# KiCad board poly_kb_wave_right2.kicad_pcb (continued)
## Routing (per net, layer and track width the routed paths; a pad name or vN(x,y) marks a point on that pad's centre or on a via; arc(x,y) is an arc through that point) (continued)
Net-(D1_35-A): length 2.8
  Bottom w0.3: 131.55,36.34 131.54,36.34 SW_K_35.2
Net-(D1_36-A): length 2.8
  Bottom w0.3: SW_K_36.2 150.59,36.34 150.6,36.34
Net-(D5-A): length 14.2
  Top w0.5: v1(5.25,93.76) 5.25,93.77 U3.1
  Bottom w0.5: D5.2 3.35,86.82 JP1.1 6.77,90.24 C14.1 6.71,93.76 v1(5.25,93.76)
Net-(D5-K): length 1.8
  Bottom w0.5: 5.1,81.73 5.09,81.72 D5.1
Net-(D6-K): length 13.3
  Top w0.5: v1(5.3,97.04) 5.3,97.05 5.3,101.01 R6.2
  Bottom w0.5: D6.1 4.6,90.86 4.6,93.14 4.34,93.39 4.34,94.14 5.3,95.09 v1(5.3,97.04)
Net-(D12-A): length 26.2
  Top w0.3: SW1.S2 11.58,54.19 14.17,51.6 16.49,51.6 17.76,52.88 17.76,54.52 18.2,54.95 25.33,58.04 SW1.S2
  Bottom w0.3: SW1.S2 27.76,58.05 D12.2
Net-(J39-Pin_2): length 3.2
  Top w0.229: v2(7.68,86.78) 8.61,86.78 9.05,87.22 J39.2
  Bottom w0.229: 7.69,85.89 7.68,85.89 v2(7.68,86.78)
Net-(J39-Pin_3): length 2.4
  Top w0.229: v2(9.44,86.7) 9.55,86.81 J39.3
  Bottom w0.229: C30.2 8.65,85.91 v2(9.44,86.7)
Net-(J39-Pin_4): length 3.6
  Top w0.229: J39.4 10.05,85.52 v2(9.73,85.19)
  Bottom w0.229: C31.1 9.73,85.87 v2(9.73,85.19)
Net-(J39-Pin_5): length 3.6
  Top w0.229: J39.5 10.55,85.52 v2(10.84,85.23)
  Bottom w0.229: v2(10.84,85.23) 10.66,85.41 10.66,85.87 C31.2
Net-(J39-Pin_26): length 10.3
  Top w0.3: v2(25.58,88.19) 25.58,88.28 24.67,89.19 21.35,89.19 21.05,88.89 J39.26
  Bottom w0.3: v2(25.58,88.19) 25.58,85.08 R30.2
Net-(J39-Pin_27): length 2.6
  Top w0.3: J39.27 21.55,87.16 v2(21.22,86.83)
  Bottom w0.3: C33.1 21.78,86.27 v2(21.22,86.83)
Net-(J39-Pin_28): length 6.2
  Top w0.3: v2(23.72,87) 23.51,87 23.51,86.98 22.1,86.98 22.1,87 22.08,87 22.05,87.03 J39.28
  Bottom w0.3: v2(23.72,87) 23.72,85.36 C34.1
Net-(R10-Pad1): length 2.5
  Top w0.6: R11.2 10.77,100.43 10.07,99.73 R10.1
Net-(R13-Pad2): length 1.8
  Bottom w0.3: R13.2 10.12,95.04 R25.2
Net-(R18-Pad2): length 1.9
  Bottom w0.5: R24.1 4.55,112.86 R18.2
Net-(U1A-FB): length 12.9
  Top w0.3: R14.1 9.63,111.55 v2(7.25,111.55) 7.25,113.16 8.25,114.16 U1.5
  Top w0.6: R14.1 10.3,112.13 C5.2 11.75,112.03 R17.2
  Bottom w0.3: v2(7.25,111.55) 6.24,112.56 R18.1
Net-(U1A-SW): length 4.5
  Top w0.6: v1(13.05,116.41) 12.7,116.06 U1.3
  Bottom w0.6: v1(13.05,116.41) 11.52,116.41 L2.1
Net-(U2A-FB): length 9
  Top w0.5: U2.5 9.44,101.38
  Top w0.6: R11.1 11.49,102.18 9.53,102.18 9.44,102.27 ; R12.2 7.78,103.23 U2.5 9.44,101.38 C11.2
Net-(U2A-SW): length 3.9
  Top w0.5: v1(12.85,106) 11.98,105.13 U2.3
  Bottom w0.5: v1(12.85,106) 12.66,105.81 L1.1
Net-(U3-SET): length 2.5
  Top w0.3: U3.3 9.18,93.77
  Top w0.5: 9.18,93.77 v2(9.18,93.76)
  Bottom w0.3: 8.49,95.03 9.18,94.33 v2(9.18,93.76)
Net-(U10-USB_DM): length 2.7
  Bottom w0.229: U10.46 20.35,109.56 R23.2
Net-(U10-USB_DP): length 2.6
  Bottom w0.229: R22.2 21.25,110.05 20.75,109.55 U10.47
Net-(USB1-CC1): length 2.6
  Top w0.3: v2(19.75,120.94) 19.75,121.52 R7.2
  Bottom w0.3: USB1.4 19.75,120.94 v2(19.75,120.94)
Net-(USB1-CC2): length 2.6
  Top w0.3: R9.2 22.75,121.51 v2(22.75,120.94)
  Bottom w0.3: USB1.10 22.75,120.93 v2(22.75,120.94)
Net-(USB1-SHIELD): length 19.3
  Top w0.6: USB1.13 16.91,120.13 25.1,120.13 USB1.13
  Bottom w0.6: USB1.13 USB1.13 25.88,119.8 FB1.1 ; USB1.13 USB1.13
Net-(USB2-SHIELD): length 21.1
  Top w0.6: USB2.13 USB2.13
  Bottom w0.6: FB2.1 5.83,63.71 USB2.13 USB2.13 USB2.13

## Copper pours and planes (outline as drawn; the poured copper is in the pictures)
GND on Top, Bottom, In1.Cu, In2.Cu: 11.6,91 14.8,91 14.8,109.31 14.77,113.31 14.8,131.81 194.1,131.75 194.1,3.56 31.15,-7.3 -0.98,-6.95 -1.2,88.91 11.6,88.91 ; 1 cut-out
GND on Top, Bottom, In1.Cu, In2.Cu: 14.6,108.35 -1,108.35 -1,131.81 14.5,131.81
GND on Top, Bottom, In1.Cu, In2.Cu: 14.6,99.2 -1,99.2 -1,107.91 14.6,107.95
GND on Top, Bottom, In1.Cu, In2.Cu: 11.25,89.3 -1,89.3 -1,98.81 11.25,98.81
GND on Top, Bottom, In1.Cu, In2.Cu: 22.95,100.35 23.21,98.31 25.25,98.31 26.85,96.81 26.85,92.1 25.25,90.7 21.7,90.7 20.05,92.35 20.05,96.45 21.1,97.5 21.1,99.45 21.75,100.1 21.75,101.31 21.85,101.41 22.95,101.41

## Text on the board
B.Silkscreen: 12 | 1 | Module Part Designators | Right Side - Rev.2 03/2023 - by thpoll | D1 | C3 | C6 | C2 | C5 | C4 | R1 | C1 | D- | D+ | pimoroni / TRACKBALL | Cirque | ALPS/JP / Rotary Enc | . | Split | PolyKybd | VBAT | BRIDGE | ON | HOST | RESET | BOOT | VBAT LIMIT
User.Comments: -2.6/-7.35
F.Silkscreen: 1 | 30 | . | by thpoll | Split | PolyKybd
